# Altium PCB 滑板车模块 - 拼板.PcbDoc (part 1 of 8) (continued)
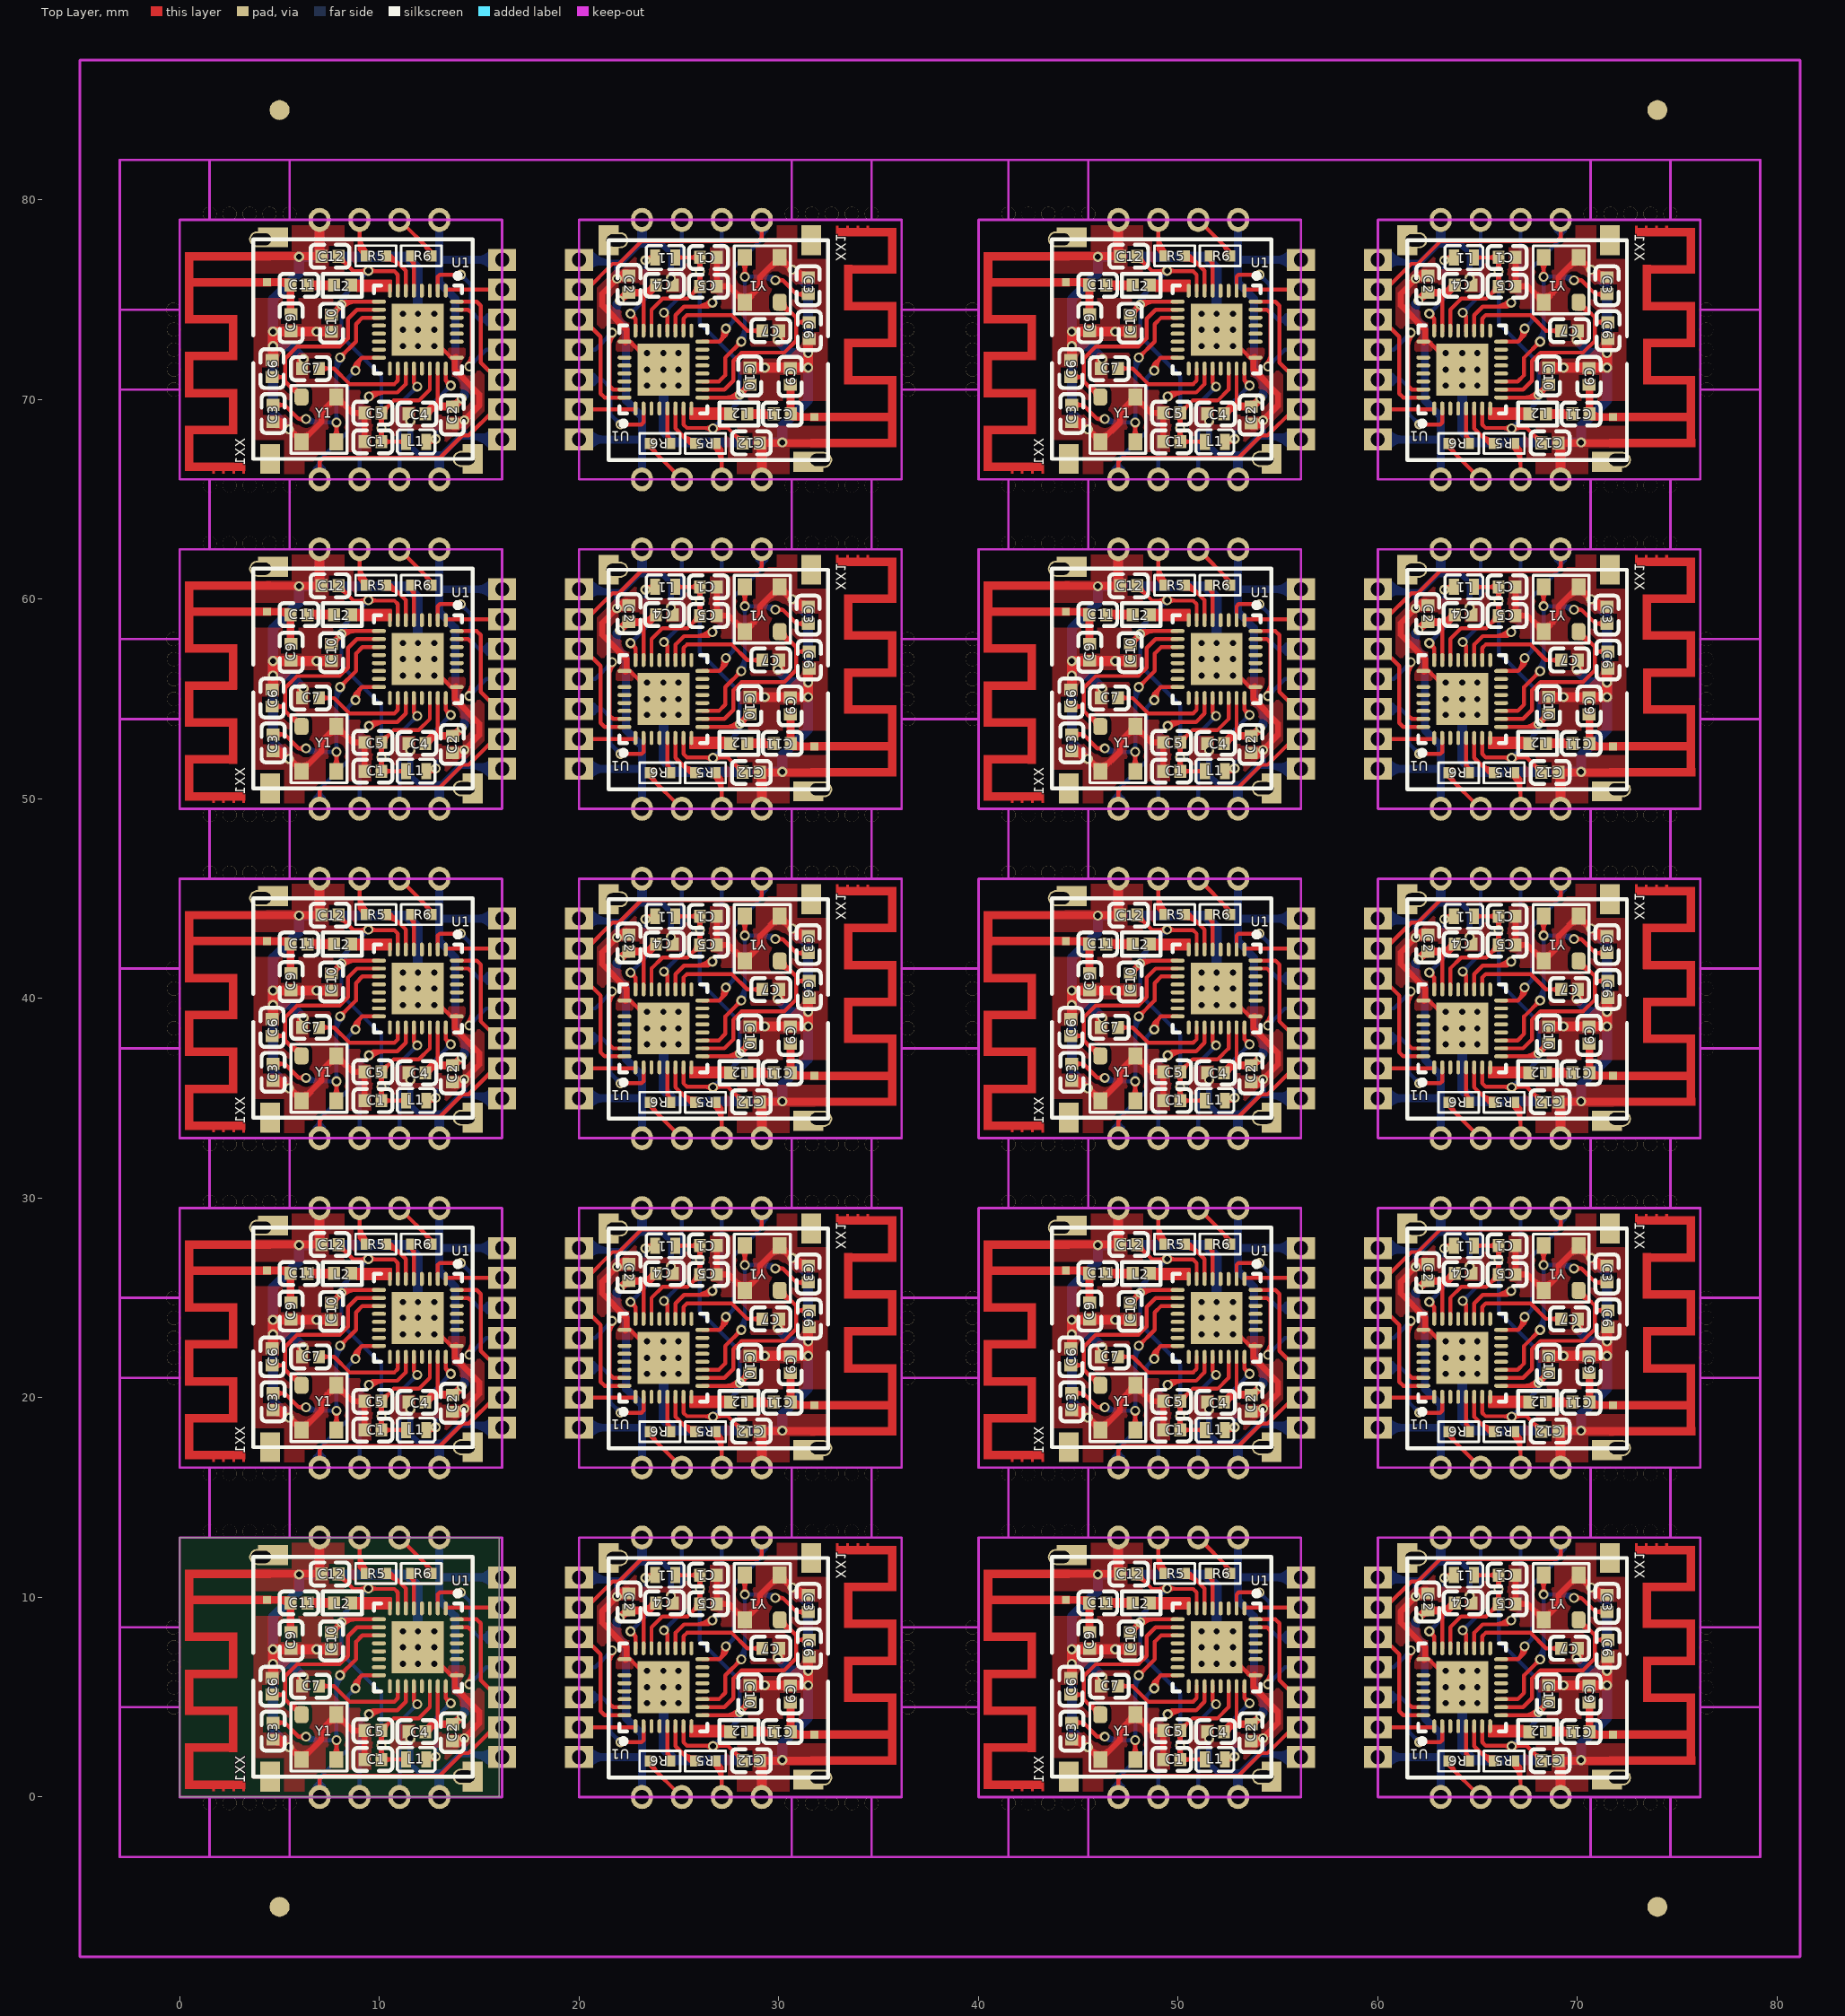
[diagram p0: Top Layer view]
## Components (designator, comment, footprint, x,y, rotation, side; value= is the part's Value field where it differs from the comment) (continued)
C7 "100nF" LC-0402_C 29.6,40.45 r180 top
C7 "100nF" LC-0402_C 29.6,23.95 r180 top
C7 "100nF" LC-0402_C 29.6,7.45 r180 top
C7 "100nF" LC-0402_C 46.55,71.55 r0 top
C7 "100nF" LC-0402_C 46.55,55.05 r0 top
C7 "100nF" LC-0402_C 46.55,38.55 r0 top
C7 "100nF" LC-0402_C 46.55,22.05 r0 top
C7 "100nF" LC-0402_C 46.55,5.55 r0 top
C7 "100nF" LC-0402_C 6.55,71.55 r0 top
C7 "100nF" LC-0402_C 6.55,55.05 r0 top
C7 "100nF" LC-0402_C 6.55,38.55 r0 top
C7 "100nF" LC-0402_C 6.55,22.05 r0 top
C7 "100nF" LC-0402_C 6.55,5.55 r0 top
C9 "1.0pF" LC-0402_C 70.575,71.158 r90 top (schematic designator C8)
C9 "1.0pF" LC-0402_C 70.575,54.658 r90 top (schematic designator C8)
C9 "1.0pF" LC-0402_C 70.575,38.158 r90 top (schematic designator C8)
C9 "1.0pF" LC-0402_C 70.575,21.658 r90 top (schematic designator C8)
C9 "1.0pF" LC-0402_C 70.575,5.158 r90 top (schematic designator C8)
C9 "1.0pF" LC-0402_C 30.575,71.158 r90 top (schematic designator C8)
C9 "1.0pF" LC-0402_C 30.575,54.658 r90 top (schematic designator C8)
C9 "1.0pF" LC-0402_C 30.575,38.158 r90 top (schematic designator C8)
C9 "1.0pF" LC-0402_C 30.575,21.658 r90 top (schematic designator C8)
C9 "1.0pF" LC-0402_C 30.575,5.158 r90 top (schematic designator C8)
C9 "1.0pF" LC-0402_C 45.575,73.842 r270 top (schematic designator C8)
C9 "1.0pF" LC-0402_C 45.575,57.342 r270 top (schematic designator C8)
C9 "1.0pF" LC-0402_C 45.575,40.842 r270 top (schematic designator C8)
C9 "1.0pF" LC-0402_C 45.575,24.342 r270 top (schematic designator C8)
C9 "1.0pF" LC-0402_C 45.575,7.842 r270 top (schematic designator C8)
C9 "1.0pF" LC-0402_C 5.575,73.842 r270 top (schematic designator C8)
C9 "1.0pF" LC-0402_C 5.575,57.342 r270 top (schematic designator C8)
C9 "1.0pF" LC-0402_C 5.575,40.842 r270 top (schematic designator C8)
C9 "1.0pF" LC-0402_C 5.575,24.342 r270 top (schematic designator C8)
C9 "1.0pF" LC-0402_C 5.575,7.842 r270 top (schematic designator C8)
C10 "100nF" LC-0402_C 68.55,71.175 r90 top (schematic designator C9)
C10 "100nF" LC-0402_C 68.55,54.675 r90 top (schematic designator C9)
C10 "100nF" LC-0402_C 68.55,38.175 r90 top (schematic designator C9)
C10 "100nF" LC-0402_C 68.55,21.675 r90 top (schematic designator C9)
C10 "100nF" LC-0402_C 68.55,5.175 r90 top (schematic designator C9)
C10 "100nF" LC-0402_C 28.55,71.175 r90 top (schematic designator C9)
C10 "100nF" LC-0402_C 28.55,54.675 r90 top (schematic designator C9)
C10 "100nF" LC-0402_C 28.55,38.175 r90 top (schematic designator C9)
C10 "100nF" LC-0402_C 28.55,21.675 r90 top (schematic designator C9)
C10 "100nF" LC-0402_C 28.55,5.175 r90 top (schematic designator C9)
C10 "100nF" LC-0402_C 47.6,73.825 r270 top (schematic designator C9)
C10 "100nF" LC-0402_C 47.6,57.325 r270 top (schematic designator C9)
C10 "100nF" LC-0402_C 47.6,40.825 r270 top (schematic designator C9)
C10 "100nF" LC-0402_C 47.6,24.325 r270 top (schematic designator C9)
C10 "100nF" LC-0402_C 47.6,7.825 r270 top (schematic designator C9)
C10 "100nF" LC-0402_C 7.6,73.825 r270 top (schematic designator C9)
C10 "100nF" LC-0402_C 7.6,57.325 r270 top (schematic designator C9)
C10 "100nF" LC-0402_C 7.6,40.825 r270 top (schematic designator C9)
C10 "100nF" LC-0402_C 7.6,24.325 r270 top (schematic designator C9)
C10 "100nF" LC-0402_C 7.6,7.825 r270 top (schematic designator C9)
C11 "1pF" LC-0402_C 70.175,69.275 r0 top (schematic designator C6)
C11 "1pF" LC-0402_C 70.175,52.775 r0 top (schematic designator C6)
C11 "1pF" LC-0402_C 70.175,36.275 r0 top (schematic designator C6)
C11 "1pF" LC-0402_C 70.175,19.775 r0 top (schematic designator C6)
C11 "1pF" LC-0402_C 70.175,3.275 r0 top (schematic designator C6)
C11 "1pF" LC-0402_C 30.175,69.275 r0 top (schematic designator C6)
C11 "1pF" LC-0402_C 30.175,52.775 r0 top (schematic designator C6)
C11 "1pF" LC-0402_C 30.175,36.275 r0 top (schematic designator C6)
C11 "1pF" LC-0402_C 30.175,19.775 r0 top (schematic designator C6)
C11 "1pF" LC-0402_C 30.175,3.275 r0 top (schematic designator C6)
C11 "1pF" LC-0402_C 45.975,75.725 r180 top (schematic designator C6)
C11 "1pF" LC-0402_C 45.975,59.225 r180 top (schematic designator C6)
C11 "1pF" LC-0402_C 45.975,42.725 r180 top (schematic designator C6)
C11 "1pF" LC-0402_C 45.975,26.225 r180 top (schematic designator C6)
C11 "1pF" LC-0402_C 45.975,9.725 r180 top (schematic designator C6)
C11 "1pF" LC-0402_C 5.975,75.725 r180 top (schematic designator C6)
C11 "1pF" LC-0402_C 5.975,59.225 r180 top (schematic designator C6)
C11 "1pF" LC-0402_C 5.975,42.725 r180 top (schematic designator C6)
C11 "1pF" LC-0402_C 5.975,26.225 r180 top (schematic designator C6)
C11 "1pF" LC-0402_C 5.975,9.725 r180 top (schematic designator C6)
C12 "1uF/6.3V" LC-0402_C 68.625,67.825 r0 top (schematic designator C4)
C12 "1uF/6.3V" LC-0402_C 68.625,51.325 r0 top (schematic designator C4)
C12 "1uF/6.3V" LC-0402_C 68.625,34.825 r0 top (schematic designator C4)
C12 "1uF/6.3V" LC-0402_C 68.625,18.325 r0 top (schematic designator C4)
C12 "1uF/6.3V" LC-0402_C 68.625,1.825 r0 top (schematic designator C4)
C12 "1uF/6.3V" LC-0402_C 28.625,67.825 r0 top (schematic designator C4)
C12 "1uF/6.3V" LC-0402_C 28.625,51.325 r0 top (schematic designator C4)
C12 "1uF/6.3V" LC-0402_C 28.625,34.825 r0 top (schematic designator C4)
C12 "1uF/6.3V" LC-0402_C 28.625,18.325 r0 top (schematic designator C4)
C12 "1uF/6.3V" LC-0402_C 28.625,1.825 r0 top (schematic designator C4)
C12 "1uF/6.3V" LC-0402_C 47.525,77.175 r180 top (schematic designator C4)
C12 "1uF/6.3V" LC-0402_C 47.525,60.675 r180 top (schematic designator C4)
C12 "1uF/6.3V" LC-0402_C 47.525,44.175 r180 top (schematic designator C4)
C12 "1uF/6.3V" LC-0402_C 47.525,27.675 r180 top (schematic designator C4)
C12 "1uF/6.3V" LC-0402_C 47.525,11.175 r180 top (schematic designator C4)
C12 "1uF/6.3V" LC-0402_C 7.525,77.175 r180 top (schematic designator C4)
C12 "1uF/6.3V" LC-0402_C 7.525,60.675 r180 top (schematic designator C4)
C12 "1uF/6.3V" LC-0402_C 7.525,44.175 r180 top (schematic designator C4)
C12 "1uF/6.3V" LC-0402_C 7.525,27.675 r180 top (schematic designator C4)
C12 "1uF/6.3V" LC-0402_C 7.525,11.175 r180 top (schematic designator C4)
J6 "7P" 7P-1.5MM 60,72.5 r90 bottom
J6 "7P" 7P-1.5MM 60,56 r90 bottom
J6 "7P" 7P-1.5MM 60,39.5 r90 bottom
J6 "7P" 7P-1.5MM 60,23 r90 bottom
J6 "7P" 7P-1.5MM 60,6.5 r90 bottom
J6 "7P" 7P-1.5MM 20,72.5 r90 bottom
J6 "7P" 7P-1.5MM 20,56 r90 bottom
J6 "7P" 7P-1.5MM 20,39.5 r90 bottom
J6 "7P" 7P-1.5MM 20,23 r90 bottom
J6 "7P" 7P-1.5MM 20,6.5 r90 bottom
J6 "7P" 7P-1.5MM 56.15,72.5 r270 bottom
J6 "7P" 7P-1.5MM 56.15,56 r270 bottom
J6 "7P" 7P-1.5MM 56.15,39.5 r270 bottom
J6 "7P" 7P-1.5MM 56.15,23 r270 bottom
J6 "7P" 7P-1.5MM 56.15,6.5 r270 bottom
J6 "7P" 7P-1.5MM 16.15,72.5 r270 bottom
J6 "7P" 7P-1.5MM 16.15,56 r270 bottom
J6 "7P" 7P-1.5MM 16.15,39.5 r270 bottom
J6 "7P" 7P-1.5MM 16.15,23 r270 bottom
J6 "7P" 7P-1.5MM 16.15,6.5 r270 bottom
L1 "2.2uH" L0402 64.31,77.115 r0 top
L1 "2.2uH" L0402 64.31,60.615 r0 top
L1 "2.2uH" L0402 64.31,44.115 r0 top
L1 "2.2uH" L0402 64.31,27.615 r0 top
L1 "2.2uH" L0402 64.31,11.115 r0 top
L1 "2.2uH" L0402 24.31,77.115 r0 top
L1 "2.2uH" L0402 24.31,60.615 r0 top
L1 "2.2uH" L0402 24.31,44.115 r0 top
L1 "2.2uH" L0402 24.31,27.615 r0 top
L1 "2.2uH" L0402 24.31,11.115 r0 top
L1 "2.2uH" L0402 51.84,67.885 r180 top
L1 "2.2uH" L0402 51.84,51.385 r180 top
L1 "2.2uH" L0402 51.84,34.885 r180 top
L1 "2.2uH" L0402 51.84,18.385 r180 top
L1 "2.2uH" L0402 51.84,1.885 r180 top
L1 "2.2uH" L0402 11.84,67.885 r180 top
L1 "2.2uH" L0402 11.84,51.385 r180 top
L1 "2.2uH" L0402 11.84,34.885 r180 top
L1 "2.2uH" L0402 11.84,18.385 r180 top
L1 "2.2uH" L0402 11.84,1.885 r180 top
L2 "2nH" LC-0402_L 68,69.275 r180 top
L2 "2nH" LC-0402_L 68,52.775 r180 top
L2 "2nH" LC-0402_L 68,36.275 r180 top
L2 "2nH" LC-0402_L 68,19.775 r180 top
L2 "2nH" LC-0402_L 68,3.275 r180 top
L2 "2nH" LC-0402_L 28,69.275 r180 top
L2 "2nH" LC-0402_L 28,52.775 r180 top
L2 "2nH" LC-0402_L 28,36.275 r180 top
L2 "2nH" LC-0402_L 28,19.775 r180 top
L2 "2nH" LC-0402_L 28,3.275 r180 top
L2 "2nH" LC-0402_L 48.15,75.725 r0 top
L2 "2nH" LC-0402_L 48.15,59.225 r0 top
L2 "2nH" LC-0402_L 48.15,42.725 r0 top
L2 "2nH" LC-0402_L 48.15,26.225 r0 top
L2 "2nH" LC-0402_L 48.15,9.725 r0 top
L2 "2nH" LC-0402_L 8.15,75.725 r0 top
L2 "2nH" LC-0402_L 8.15,59.225 r0 top
L2 "2nH" LC-0402_L 8.15,42.725 r0 top
L2 "2nH" LC-0402_L 8.15,26.225 r0 top
L2 "2nH" LC-0402_L 8.15,9.725 r0 top
P1 "Header 4" 4P-2.0MM 66.15,66 r0 top
P1 "Header 4" 4P-2.0MM 66.15,49.5 r0 top
P1 "Header 4" 4P-2.0MM 66.15,33 r0 top
P1 "Header 4" 4P-2.0MM 66.15,16.5 r0 top
P1 "Header 4" 4P-2.0MM 66.15,0 r0 top
P1 "Header 4" 4P-2.0MM 26.15,66 r0 top
P1 "Header 4" 4P-2.0MM 26.15,49.5 r0 top
P1 "Header 4" 4P-2.0MM 26.15,33 r0 top
P1 "Header 4" 4P-2.0MM 26.15,16.5 r0 top
P1 "Header 4" 4P-2.0MM 26.15,0 r0 top
P1 "Header 4" 4P-2.0MM 50,79 r180 top
P1 "Header 4" 4P-2.0MM 50,62.5 r180 top
P1 "Header 4" 4P-2.0MM 50,46 r180 top
P1 "Header 4" 4P-2.0MM 50,29.5 r180 top
P1 "Header 4" 4P-2.0MM 50,13 r180 top
P1 "Header 4" 4P-2.0MM 10,79 r180 top
P1 "Header 4" 4P-2.0MM 10,62.5 r180 top
P1 "Header 4" 4P-2.0MM 10,46 r180 top
P1 "Header 4" 4P-2.0MM 10,29.5 r180 top
P1 "Header 4" 4P-2.0MM 10,13 r180 top
P2 "Header 4" 4P-2.0MM 66.15,79 r0 top
P2 "Header 4" 4P-2.0MM 66.15,62.5 r0 top
P2 "Header 4" 4P-2.0MM 66.15,46 r0 top
P2 "Header 4" 4P-2.0MM 66.15,29.5 r0 top
P2 "Header 4" 4P-2.0MM 66.15,13 r0 top
P2 "Header 4" 4P-2.0MM 26.15,79 r0 top
P2 "Header 4" 4P-2.0MM 26.15,62.5 r0 top
P2 "Header 4" 4P-2.0MM 26.15,46 r0 top
P2 "Header 4" 4P-2.0MM 26.15,29.5 r0 top
P2 "Header 4" 4P-2.0MM 26.15,13 r0 top
P2 "Header 4" 4P-2.0MM 50,66 r180 top
P2 "Header 4" 4P-2.0MM 50,49.5 r180 top
P2 "Header 4" 4P-2.0MM 50,33 r180 top
P2 "Header 4" 4P-2.0MM 50,16.5 r180 top
P2 "Header 4" 4P-2.0MM 50,0 r180 top
P2 "Header 4" 4P-2.0MM 10,66 r180 top
P2 "Header 4" 4P-2.0MM 10,49.5 r180 top
P2 "Header 4" 4P-2.0MM 10,33 r180 top
P2 "Header 4" 4P-2.0MM 10,16.5 r180 top
P2 "Header 4" 4P-2.0MM 10,0 r180 top
R5 "20R" 0402R 66.325,67.8 r0 top
R5 "20R" 0402R 66.325,51.3 r0 top
R5 "20R" 0402R 66.325,34.8 r0 top
R5 "20R" 0402R 66.325,18.3 r0 top
R5 "20R" 0402R 66.325,1.8 r0 top
R5 "20R" 0402R 26.325,67.8 r0 top
R5 "20R" 0402R 26.325,51.3 r0 top
R5 "20R" 0402R 26.325,34.8 r0 top
R5 "20R" 0402R 26.325,18.3 r0 top
R5 "20R" 0402R 26.325,1.8 r0 top
R5 "20R" 0402R 49.825,77.2 r180 top
R5 "20R" 0402R 49.825,60.7 r180 top
R5 "20R" 0402R 49.825,44.2 r180 top
R5 "20R" 0402R 49.825,27.7 r180 top
R5 "20R" 0402R 49.825,11.2 r180 top
R5 "20R" 0402R 9.825,77.2 r180 top
R5 "20R" 0402R 9.825,60.7 r180 top
R5 "20R" 0402R 9.825,44.2 r180 top
R5 "20R" 0402R 9.825,27.7 r180 top
R5 "20R" 0402R 9.825,11.2 r180 top
R6 "20R" 0402R 64.05,67.8 r180 top
R6 "20R" 0402R 64.05,51.3 r180 top
R6 "20R" 0402R 64.05,34.8 r180 top
R6 "20R" 0402R 64.05,18.3 r180 top
R6 "20R" 0402R 64.05,1.8 r180 top
R6 "20R" 0402R 24.05,67.8 r180 top
R6 "20R" 0402R 24.05,51.3 r180 top
R6 "20R" 0402R 24.05,34.8 r180 top
R6 "20R" 0402R 24.05,18.3 r180 top
R6 "20R" 0402R 24.05,1.8 r180 top
R6 "20R" 0402R 52.1,77.2 r0 top
R6 "20R" 0402R 52.1,60.7 r0 top
R6 "20R" 0402R 52.1,44.2 r0 top
R6 "20R" 0402R 52.1,27.7 r0 top
R6 "20R" 0402R 52.1,11.2 r0 top
R6 "20R" 0402R 12.1,77.2 r0 top
R6 "20R" 0402R 12.1,60.7 r0 top
R6 "20R" 0402R 12.1,44.2 r0 top
R6 "20R" 0402R 12.1,27.7 r0 top
R6 "20R" 0402R 12.1,11.2 r0 top
U1 "BK3432" LC-VQFN-32_4x4x04P 64.225,71.5 r0 top
U1 "BK3432" LC-VQFN-32_4x4x04P 64.225,55 r0 top
U1 "BK3432" LC-VQFN-32_4x4x04P 64.225,38.5 r0 top
U1 "BK3432" LC-VQFN-32_4x4x04P 64.225,22 r0 top
U1 "BK3432" LC-VQFN-32_4x4x04P 64.225,5.5 r0 top
U1 "BK3432" LC-VQFN-32_4x4x04P 24.225,71.5 r0 top
U1 "BK3432" LC-VQFN-32_4x4x04P 24.225,55 r0 top
U1 "BK3432" LC-VQFN-32_4x4x04P 24.225,38.5 r0 top
U1 "BK3432" LC-VQFN-32_4x4x04P 24.225,22 r0 top
U1 "BK3432" LC-VQFN-32_4x4x04P 24.225,5.5 r0 top
U1 "BK3432" LC-VQFN-32_4x4x04P 51.925,73.5 r180 top
U1 "BK3432" LC-VQFN-32_4x4x04P 51.925,57 r180 top
U1 "BK3432" LC-VQFN-32_4x4x04P 51.925,40.5 r180 top
U1 "BK3432" LC-VQFN-32_4x4x04P 51.925,24 r180 top
U1 "BK3432" LC-VQFN-32_4x4x04P 51.925,7.5 r180 top
U1 "BK3432" LC-VQFN-32_4x4x04P 11.925,73.5 r180 top
U1 "BK3432" LC-VQFN-32_4x4x04P 11.925,57 r180 top
U1 "BK3432" LC-VQFN-32_4x4x04P 11.925,40.5 r180 top
U1 "BK3432" LC-VQFN-32_4x4x04P 11.925,24 r180 top
U1 "BK3432" LC-VQFN-32_4x4x04P 11.925,7.5 r180 top
XX1 "TIANX" BT_NAMI_NO 71.775,69.125 r270 top
XX1 "TIANX" BT_NAMI_NO 71.775,52.625 r270 top
XX1 "TIANX" BT_NAMI_NO 71.775,36.125 r270 top
XX1 "TIANX" BT_NAMI_NO 71.775,19.625 r270 top
XX1 "TIANX" BT_NAMI_NO 71.775,3.125 r270 top
XX1 "TIANX" BT_NAMI_NO 31.775,69.125 r270 top
XX1 "TIANX" BT_NAMI_NO 31.775,52.625 r270 top
XX1 "TIANX" BT_NAMI_NO 31.775,36.125 r270 top
XX1 "TIANX" BT_NAMI_NO 31.775,19.625 r270 top
XX1 "TIANX" BT_NAMI_NO 31.775,3.125 r270 top
XX1 "TIANX" BT_NAMI_NO 44.375,75.875 r90 top
XX1 "TIANX" BT_NAMI_NO 44.375,59.375 r90 top
XX1 "TIANX" BT_NAMI_NO 44.375,42.875 r90 top
XX1 "TIANX" BT_NAMI_NO 44.375,26.375 r90 top
XX1 "TIANX" BT_NAMI_NO 44.375,9.875 r90 top
XX1 "TIANX" BT_NAMI_NO 4.375,75.875 r90 top
XX1 "TIANX" BT_NAMI_NO 4.375,59.375 r90 top
XX1 "TIANX" BT_NAMI_NO 4.375,42.875 r90 top
XX1 "TIANX" BT_NAMI_NO 4.375,26.375 r90 top
XX1 "TIANX" BT_NAMI_NO 4.375,9.875 r90 top
Y1 "16MHz" SMT-3225 69.175,76 r90 top
Y1 "16MHz" SMT-3225 69.175,59.5 r90 top
Y1 "16MHz" SMT-3225 69.175,43 r90 top
Y1 "16MHz" SMT-3225 69.175,26.5 r90 top
Y1 "16MHz" SMT-3225 69.175,10 r90 top
Y1 "16MHz" SMT-3225 29.175,76 r90 top
Y1 "16MHz" SMT-3225 29.175,59.5 r90 top
Y1 "16MHz" SMT-3225 29.175,43 r90 top
Y1 "16MHz" SMT-3225 29.175,26.5 r90 top
Y1 "16MHz" SMT-3225 29.175,10 r90 top
Y1 "16MHz" SMT-3225 46.975,69 r270 top
Y1 "16MHz" SMT-3225 46.975,52.5 r270 top
Y1 "16MHz" SMT-3225 46.975,36 r270 top
Y1 "16MHz" SMT-3225 46.975,19.5 r270 top
Y1 "16MHz" SMT-3225 46.975,3 r270 top
Y1 "16MHz" SMT-3225 6.975,69 r270 top
Y1 "16MHz" SMT-3225 6.975,52.5 r270 top
Y1 "16MHz" SMT-3225 6.975,36 r270 top
Y1 "16MHz" SMT-3225 6.975,19.5 r270 top
Y1 "16MHz" SMT-3225 6.975,3 r270 top

## Footprints (in the part's own frame and the unit in brackets; to place one, negate y for a bottom-side part, rotate by r counter-clockwise, add the part's x,y. Pads: shape width x height; smd on the part's side, far side on the other; paste and mask are expansions set on the pad)
4P-2.0MM [mm]
  oval 1.1x1.2 / inner rect 1.1x1.4 / far side rect 1.1x1.4 hole 0.7 mask+0.05: 1(-3,0) 2(-1,0) 3(1,0) 4(3,0)
7P-1.5MM [mm]
  rect 1.1x1.8 / inner rect 1.1x1.4 / far side rect 1.1x1.4 hole 0.7 mask+0.05: 1(-4.5,0) 2(-3,0) 3(-1.5,0) 4(0,0) 5(1.5,0) 6(3,0) 7(4.5,0)
0402R [mil]
  rect 20x22 smd mask+2: 1(-20,0) 2(20,0)
  silkscreen extent -40,-20 40,20, body extent -23,-11 23,11, height 16
BT_NAMI_NO [mm]
  rect 0.4x0.4 smd: 1(0,0)
  rect 0x0 smd: 2(1.3,0)
  Top Layer region: -9.578,1.22 -9.136,1.22 -9.136,1.107 -9.578,1.107
  Top Layer region: -9.571,2.745 -9.135,2.745 -9.135,2.632 -9.571,2.632
  Top Layer region: -9.573,2.239 -9.136,2.239 -9.136,2.126 -9.573,2.126
  Top Layer region: -9.574,1.732 -9.135,1.732 -9.135,1.619 -9.574,1.619
  Top Layer region: -9.048,1.106 -9.45,1.106 -9.45,4.108 -9.048,4.108
  Top Layer region: -9.45,3.704 -9.45,4.106 -7.201,4.106 -7.201,3.704
  Top Layer region: -7.202,1.51 -7.604,1.51 -7.604,4.106 -7.202,4.106
  Top Layer region: -5.35,1.51 -5.752,1.51 -5.752,4.103 -5.35,4.103
  Top Layer region: -7.609,1.506 -7.609,1.907 -5.359,1.907 -5.359,1.506
  Top Layer region: -5.751,3.704 -5.751,4.106 -3.502,4.106 -3.502,3.704
  Top Layer region: -3.5,1.512 -3.902,1.512 -3.902,4.101 -3.5,4.101
  Top Layer region: -3.899,1.51 -3.899,1.911 -1.65,1.911 -1.65,1.51
  Top Layer region: -0.208,3.695 -0.208,4.11 1.495,4.11 1.495,3.695
  Top Layer region: -1.651,1.512 -2.053,1.512 -2.053,4.101 -1.651,4.101
  Top Layer region: -2.05,3.703 -2.05,4.104 0.199,4.104 0.199,3.703
  Top Layer region: 0.2,-0.197 -0.203,-0.197 -0.203,4.1 0.2,4.1
  Top Layer region: 1.5,-0.18 1.098,-0.18 1.098,4.116 1.5,4.116
L0402 [mm]
  rect 0.5x0.8 smd: 1(-0.5,0) 2(0.5,0)
  silkscreen extent -0.95,-0.6 0.95,0.6
LC-0402_C [mm]
  rect 0.6x0.65 smd mask+0.051: 1(-0.425,0) 2(0.425,0)
  silkscreen extent -0.98,-0.58 0.97,0.58, body extent -0.48,-0.3 0.52,0.3, height 0.2
LC-0402_L [mm]
  rect 0.6x0.65 smd mask+0.051: 1(-0.425,0) 2(0.425,0)
  silkscreen extent -0.98,-0.58 0.97,0.58, body extent -0.51,-0.26 0.54,0.26, height 0.36
LC-VQFN-32_4x4x04P [mm]
  rect 2.6x2.6 smd paste-0.025 mask+0.051: 0(0,0)
  oval 0.2x0.7 smd paste-0.025 mask+0.051: 1(-1.4,-1.95) 2(-1,-1.95) 3(-0.6,-1.95) 4(-0.2,-1.95) 5(0.2,-1.95) 6(0.6,-1.95) 7(1,-1.95) 8(1.4,-1.95) 17(1.4,1.95) 18(1,1.95) 19(0.6,1.95) 20(0.2,1.95) 21(-0.2,1.95) 22(-0.6,1.95) 23(-1,1.95) 24(-1.4,1.95)
  oval 0.7x0.2 smd paste-0.025 mask+0.051: 9(1.95,-1.4) 10(1.95,-1) 11(1.95,-0.6) 12(1.95,-0.2) 13(1.95,0.2) 14(1.95,0.6) 15(1.95,1) 16(1.95,1.4) 25(-1.95,1.4) 27(-1.95,0.6) 28(-1.95,0.2) 29(-1.95,-0.2) 30(-1.95,-0.6) 31(-1.95,-1) 32(-1.95,-1.4)
  oval 0.7x0.2 on Top Overlay paste-0.025 mask+0.051: 26(-1.95,1)
  silkscreen extent -2.2,-2.82 2.2,2.2
SMT-3225 [mm]
  rrect50% 0.85x0.7 smd: 1(-1.125,-0.875)
  rect 0.85x0.7 smd: 2(1.125,-0.875) 3(1.125,0.875) 4(-1.125,0.875)
  silkscreen extent -1.7,-1.4 1.7,1.4

## Part data
C1 C1 C1 C1 C1 C1 C1 C1 C1 C1 C1 C1 C1 C1 C1 C1 C1 C1 C1 C1 C3 C3 C3 C3 C3 C3 C3 C3 C3 C3 C3 C3 C3 C3 C3 C3 C3 C3 C3 C3 C4 C4 C4 C4 C4 C4 C4 C4 C4 C4 C4 C4 C4 C4 C4 C4 C4 C4 C4 C4 C5 C5 C5 C5 C5 C5 C5 C5 C5 C5 C5 C5 C5 C5 C5 C5 C5 C5 C5 C5 C6 C6 C6 C6 C6 C6 C6 C6 C6 C6 C6 C6 C6 C6 C6 C6 C6 C6 C6 C6 C7 C7 C7 C7 C7 C7 C7 C7 C7 C7 C7 C7 C7 C7 C7 C7 C7 C7 C7 C7 C9 C9 C9 C9 C9 C9 C9 C9 C9 C9 C9 C9 C9 C9 C9 C9 C9 C9 C9 C9 C10 C10 C10 C10 C10 C10 C10 C10 C10 C10 C10 C10 C10 C10 C10 C10 C10 C10 C10 C10 C11 C11 C11 C11 C11 C11 C11 C11 C11 C11 C11 C11 C11 C11 C11 C11 C11 C11 C11 C11 C12 C12 C12 C12 C12 C12 C12 C12 C12 C12 C12 C12 C12 C12 C12 C12 C12 C12 C12 C12: library part CAP0603
C2 C2 C2 C2 C2 C2 C2 C2 C2 C2 C2 C2 C2 C2 C2 C2 C2 C2 C2 C2: library part CAP-NP, "Capacitor, Ceramic"
L1 L1 L1 L1 L1 L1 L1 L1 L1 L1 L1 L1 L1 L1 L1 L1 L1 L1 L1 L1 L2 L2 L2 L2 L2 L2 L2 L2 L2 L2 L2 L2 L2 L2 L2 L2 L2 L2 L2 L2: "Power Inductor, 4.7uH, 0.7A, 260mR DCR"
P1 P1 P1 P1 P1 P1 P1 P1 P1 P1 P1 P1 P1 P1 P1 P1 P1 P1 P1 P1 P2 P2 P2 P2 P2 P2 P2 P2 P2 P2 P2 P2 P2 P2 P2 P2 P2 P2 P2 P2: "Header, 4-Pin"
R5 R5 R5 R5 R5 R5 R5 R5 R5 R5 R5 R5 R5 R5 R5 R5 R5 R5 R5 R5 R6 R6 R6 R6 R6 R6 R6 R6 R6 R6 R6 R6 R6 R6 R6 R6 R6 R6 R6 R6: library part Res1, "Resistor"
Y1 Y1 Y1 Y1 Y1 Y1 Y1 Y1 Y1 Y1 Y1 Y1 Y1 Y1 Y1 Y1 Y1 Y1 Y1 Y1: library part OSCILATOR_0

## Free pads (board coordinates)
  rect 1x1.5 smd: 0(4.525,1.025) 0(4.525,17.525) 0(4.525,34.025) 0(4.525,50.525) 0(4.525,67.025) 0(14.675,1.025) 0(14.675,17.525) 0(14.675,34.025) 0(14.675,50.525) 0(14.675,67.025) 0(21.475,11.975) 0(21.475,28.475) 0(21.475,44.975) 0(21.475,61.475) 0(21.475,77.975) 0(31.625,11.975) 0(31.625,28.475) 0(31.625,44.975) 0(31.625,61.475) 0(31.625,77.975) 0(44.525,1.025) 0(44.525,17.525) 0(44.525,34.025) 0(44.525,50.525) 0(44.525,67.025) 0(54.675,1.025) 0(54.675,17.525) 0(54.675,34.025) 0(54.675,50.525) 0(54.675,67.025) 0(61.475,11.975) 0(61.475,28.475) 0(61.475,44.975) 0(61.475,61.475) 0(61.475,77.975) 0(71.625,11.975) 0(71.625,28.475) 0(71.625,44.975) 0(71.625,61.475) 0(71.625,77.975)
  round 1 smd: 0(5,-5.5) 0(5,84.5) 0(74,-5.5) 0(74,84.5)
  round 1 smd far side: 0(5,-5.5) 0(5,84.5) 0(74,-5.5) 0(74,84.5)
  round 0.7 hole 0.7: 1(-0.325,8.5) 1(-0.325,25) 1(-0.325,41.5) 1(-0.325,58) 1(-0.325,74.5) 1(1.5,-0.3) 1(1.5,16.2) 1(1.5,32.7) 1(1.5,49.2) 1(1.5,65.7) 1(5.5,13.3) 1(5.5,29.8) 1(5.5,46.3) 1(5.5,62.8) 1(5.5,79.3) 1(30.65,-0.3) 1(30.65,16.2) 1(30.65,32.7) 1(30.65,49.2) 1(30.65,65.7) 1(34.65,79.3) 1(34.65,13.3) 1(34.65,29.8) 1(34.65,46.3) 1(34.65,62.8) 1(36.475,4.5) 1(36.475,21) 1(36.475,37.5) 1(36.475,54) 1(36.475,70.5) 1(39.7,8.5) 1(39.7,25) 1(39.7,41.5) 1(39.7,58) 1(39.7,74.5) 1(41.5,-0.3) 1(41.5,16.2) 1(41.5,32.7) 1(41.5,49.2) 1(41.5,65.7) 1(45.5,13.3) 1(45.5,29.8) 1(45.5,46.3) 1(45.5,62.8) 1(45.5,79.3) 1(70.65,-0.3) 1(70.65,16.2) 1(70.65,32.7) 1(70.65,49.2) 1(70.65,65.7) 1(74.65,79.3) 1(74.65,13.3) 1(74.65,29.8) 1(74.65,46.3) 1(74.65,62.8) 1(76.475,4.5) 1(76.475,21) 1(76.475,37.5) 1(76.475,54) 1(76.475,70.5) 2(-0.3,7.5) 2(-0.3,24) 2(-0.3,40.5) 2(-0.3,57) 2(-0.3,73.5) 2(2.5,-0.3) 2(2.5,16.2) 2(2.5,32.7) 2(2.5,49.2) 2(2.5,65.7) 2(4.5,13.3) 2(4.5,29.8) 2(4.5,46.3) 2(4.5,62.8) 2(4.5,79.3) 2(31.65,-0.3) 2(31.65,16.2) 2(31.65,32.7) 2(31.65,49.2) 2(31.65,65.7) 2(33.65,79.3) 2(33.65,13.3) 2(33.65,29.8) 2(33.65,46.3) 2(33.65,62.8) 2(36.45,5.5) 2(36.45,22) 2(36.45,38.5) 2(36.45,55) 2(36.45,71.5) 2(39.7,7.5) 2(39.7,24) 2(39.7,40.5) 2(39.7,57) 2(39.7,73.5) 2(42.5,-0.3) 2(42.5,16.2) 2(42.5,32.7) 2(42.5,49.2) 2(42.5,65.7) 2(44.5,13.3) 2(44.5,29.8) 2(44.5,46.3) 2(44.5,62.8) 2(44.5,79.3) 2(71.65,-0.3) 2(71.65,16.2) 2(71.65,32.7) 2(71.65,49.2) 2(71.65,65.7) 2(73.65,79.3) 2(73.65,13.3) 2(73.65,29.8) 2(73.65,46.3) 2(73.65,62.8) 2(76.45,5.5) 2(76.45,22) 2(76.45,38.5) 2(76.45,55) 2(76.45,71.5) 3(-0.3,6.5) 3(-0.3,23) 3(-0.3,39.5) 3(-0.3,56) 3(-0.3,72.5) 3(3.5,13.3) 3(3.5,29.8) 3(3.5,46.3) 3(3.5,62.8) 3(3.5,79.3) 3(3.5,-0.3) 3(3.5,16.2) 3(3.5,32.7) 3(3.5,49.2) 3(3.5,65.7) 3(32.65,79.3) 3(32.65,-0.3) 3(32.65,13.3) 3(32.65,16.2) 3(32.65,29.8) 3(32.65,32.7) 3(32.65,46.3) 3(32.65,49.2) 3(32.65,62.8) 3(32.65,65.7) 3(36.45,6.5) 3(36.45,23) 3(36.45,39.5) 3(36.45,56) 3(36.45,72.5) 3(39.7,6.5) 3(39.7,23) 3(39.7,39.5) 3(39.7,56) 3(39.7,72.5) 3(43.5,13.3) 3(43.5,16.2) 3(43.5,29.8) 3(43.5,32.7) 3(43.5,46.3) 3(43.5,49.2) 3(43.5,62.8) 3(43.5,65.7) 3(43.5,79.3) 3(43.5,-0.3) 3(72.65,79.3) 3(72.65,-0.3) 3(72.65,13.3) 3(72.65,16.2) 3(72.65,29.8) 3(72.65,32.7) 3(72.65,46.3) 3(72.65,49.2) 3(72.65,62.8) 3(72.65,65.7) 3(76.45,6.5) 3(76.45,23) 3(76.45,39.5) 3(76.45,56) 3(76.45,72.5) 4(-0.3,5.5) 4(-0.3,22) 4(-0.3,38.5) 4(-0.3,55) 4(-0.3,71.5) 4(2.5,13.3) 4(2.5,29.8) 4(2.5,46.3) 4(2.5,62.8) 4(2.5,79.3) 4(4.5,-0.3) 4(4.5,16.2) 4(4.5,32.7) 4(4.5,49.2) 4(4.5,65.7) 4(31.65,79.3) 4(31.65,13.3) 4(31.65,29.8) 4(31.65,46.3) 4(31.65,62.8) 4(33.65,-0.3) 4(33.65,16.2) 4(33.65,32.7) 4(33.65,49.2) 4(33.65,65.7) 4(36.45,7.5) 4(36.45,24) 4(36.45,40.5) 4(36.45,57) 4(36.45,73.5) 4(39.7,5.5) 4(39.7,22) 4(39.7,38.5) 4(39.7,55) 4(39.7,71.5) 4(42.5,13.3) 4(42.5,29.8) 4(42.5,46.3) 4(42.5,62.8) 4(42.5,79.3) 4(44.5,-0.3) 4(44.5,16.2) 4(44.5,32.7) 4(44.5,49.2) 4(44.5,65.7) 4(71.65,79.3) 4(71.65,13.3) 4(71.65,29.8) 4(71.65,46.3) 4(71.65,62.8) 4(73.65,-0.3) 4(73.65,16.2) 4(73.65,32.7) 4(73.65,49.2) 4(73.65,65.7) 4(76.45,7.5) 4(76.45,24) 4(76.45,40.5) 4(76.45,57) 4(76.45,73.5) 5(-0.3,4.5) 5(-0.3,21) 5(-0.3,37.5) 5(-0.3,54) 5(-0.3,70.5) 5(1.5,13.3) 5(1.5,29.8) 5(1.5,46.3) 5(1.5,62.8) 5(1.5,79.3) 5(5.5,-0.3) 5(5.5,16.2) 5(5.5,32.7) 5(5.5,49.2) 5(5.5,65.7) 5(30.65,79.3) 5(30.65,13.3) 5(30.65,29.8) 5(30.65,46.3) 5(30.65,62.8) 5(34.65,-0.3) 5(34.65,16.2) 5(34.65,32.7) 5(34.65,49.2) 5(34.65,65.7) 5(36.45,8.5) 5(36.45,25) 5(36.45,41.5) 5(36.45,58) 5(36.45,74.5) 5(39.7,4.5) 5(39.7,21) 5(39.7,37.5) 5(39.7,54) 5(39.7,70.5) 5(41.5,13.3) 5(41.5,29.8) 5(41.5,46.3) 5(41.5,62.8) 5(41.5,79.3) 5(45.5,-0.3) 5(45.5,16.2) 5(45.5,32.7) 5(45.5,49.2) 5(45.5,65.7) 5(70.65,79.3) 5(70.65,13.3) 5(70.65,29.8) 5(70.65,46.3) 5(70.65,62.8) 5(74.65,-0.3) 5(74.65,16.2) 5(74.65,32.7) 5(74.65,49.2) 5(74.65,65.7) 5(76.45,8.5) 5(76.45,25) 5(76.45,41.5) 5(76.45,58) 5(76.45,74.5)
  oval 1.2x0.8 hole 0.6 slot 1 at 0 deg: 1(4.075,12.025) 1(4.075,28.525) 1(4.075,45.025) 1(4.075,61.525) 1(4.075,78.025) 1(32.075,0.975) 1(32.075,17.475) 1(32.075,33.975) 1(32.075,50.475) 1(32.075,66.975) 1(44.075,12.025) 1(44.075,28.525) 1(44.075,45.025) 1(44.075,61.525) 1(44.075,78.025) 1(72.075,0.975) 1(72.075,17.475) 1(72.075,33.975) 1(72.075,50.475) 1(72.075,66.975) 2(14.275,1.025) 2(14.275,17.525) 2(14.275,34.025) 2(14.275,50.525) 2(14.275,67.025) 2(21.875,11.975) 2(21.875,28.475) 2(21.875,44.975) 2(21.875,61.475) 2(21.875,77.975) 2(54.275,1.025) 2(54.275,17.525) 2(54.275,34.025) 2(54.275,50.525) 2(54.275,67.025) 2(61.875,11.975) 2(61.875,28.475) 2(61.875,44.975) 2(61.875,61.475) 2(61.875,77.975)
  rect 1.5x1 smd: 1(4.675,12.125) 1(4.675,28.625) 1(4.675,45.125) 1(4.675,61.625) 1(4.675,78.125) 1(31.475,0.875) 1(31.475,17.375) 1(31.475,33.875) 1(31.475,50.375) 1(31.475,66.875) 1(44.675,12.125) 1(44.675,28.625) 1(44.675,45.125) 1(44.675,61.625) 1(44.675,78.125) 1(71.475,0.875) 1(71.475,17.375) 1(71.475,33.875) 1(71.475,50.375) 1(71.475,66.875)

## Via types
v1: diameter 0.5, hole 0.3, Top Layer to Bottom Layer, tented both sides, 620 vias

## Nets (pads, with @x,y where several pads share a name; then routed paths per layer and width w, separated by ;. In a path a pad name is that pad's centre, name@x,y a point inside that pad or via, vN(x,y) a via of type N, cw(c..) or ccw(c..) an arc to the next point about the centre after c; other vN are vias at no path point)
3V3: 
BRX: 
DET_FP: 